# KiCad board main_pcb_hw5.kicad_pcb
title: OSCR HW5; date: 2022-06-19; rev: 5
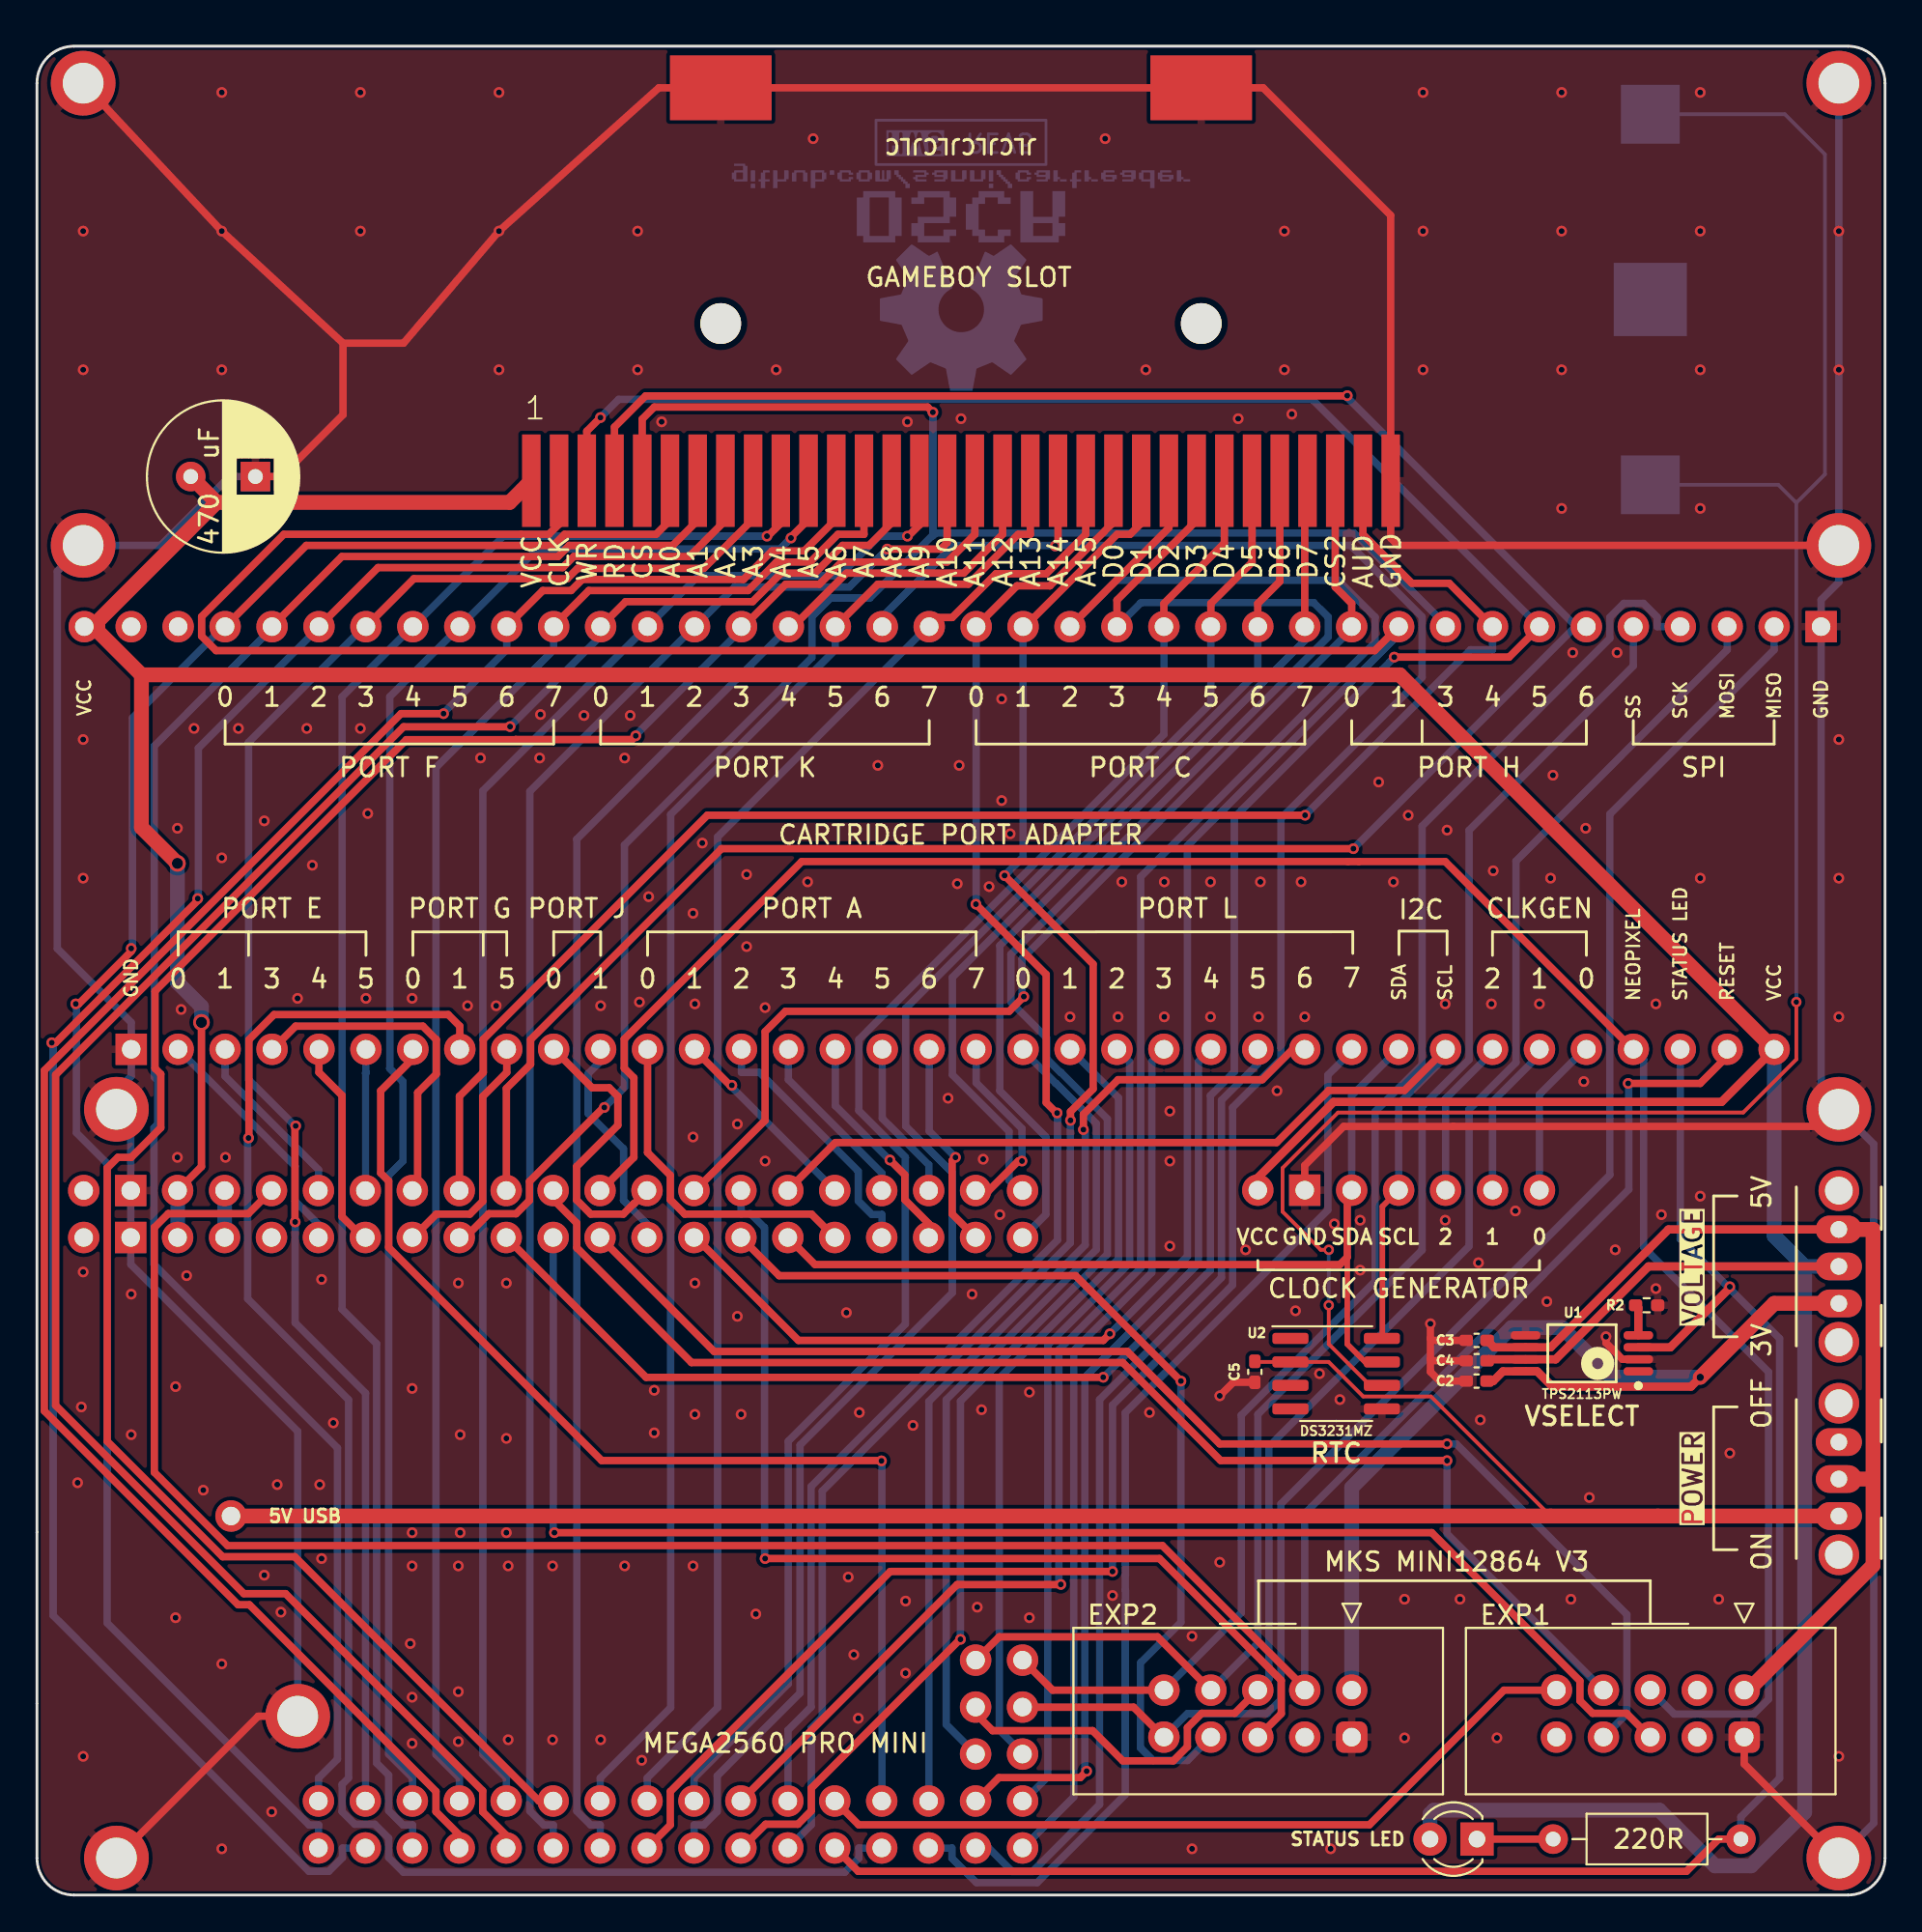
[diagram p0: board, top side]
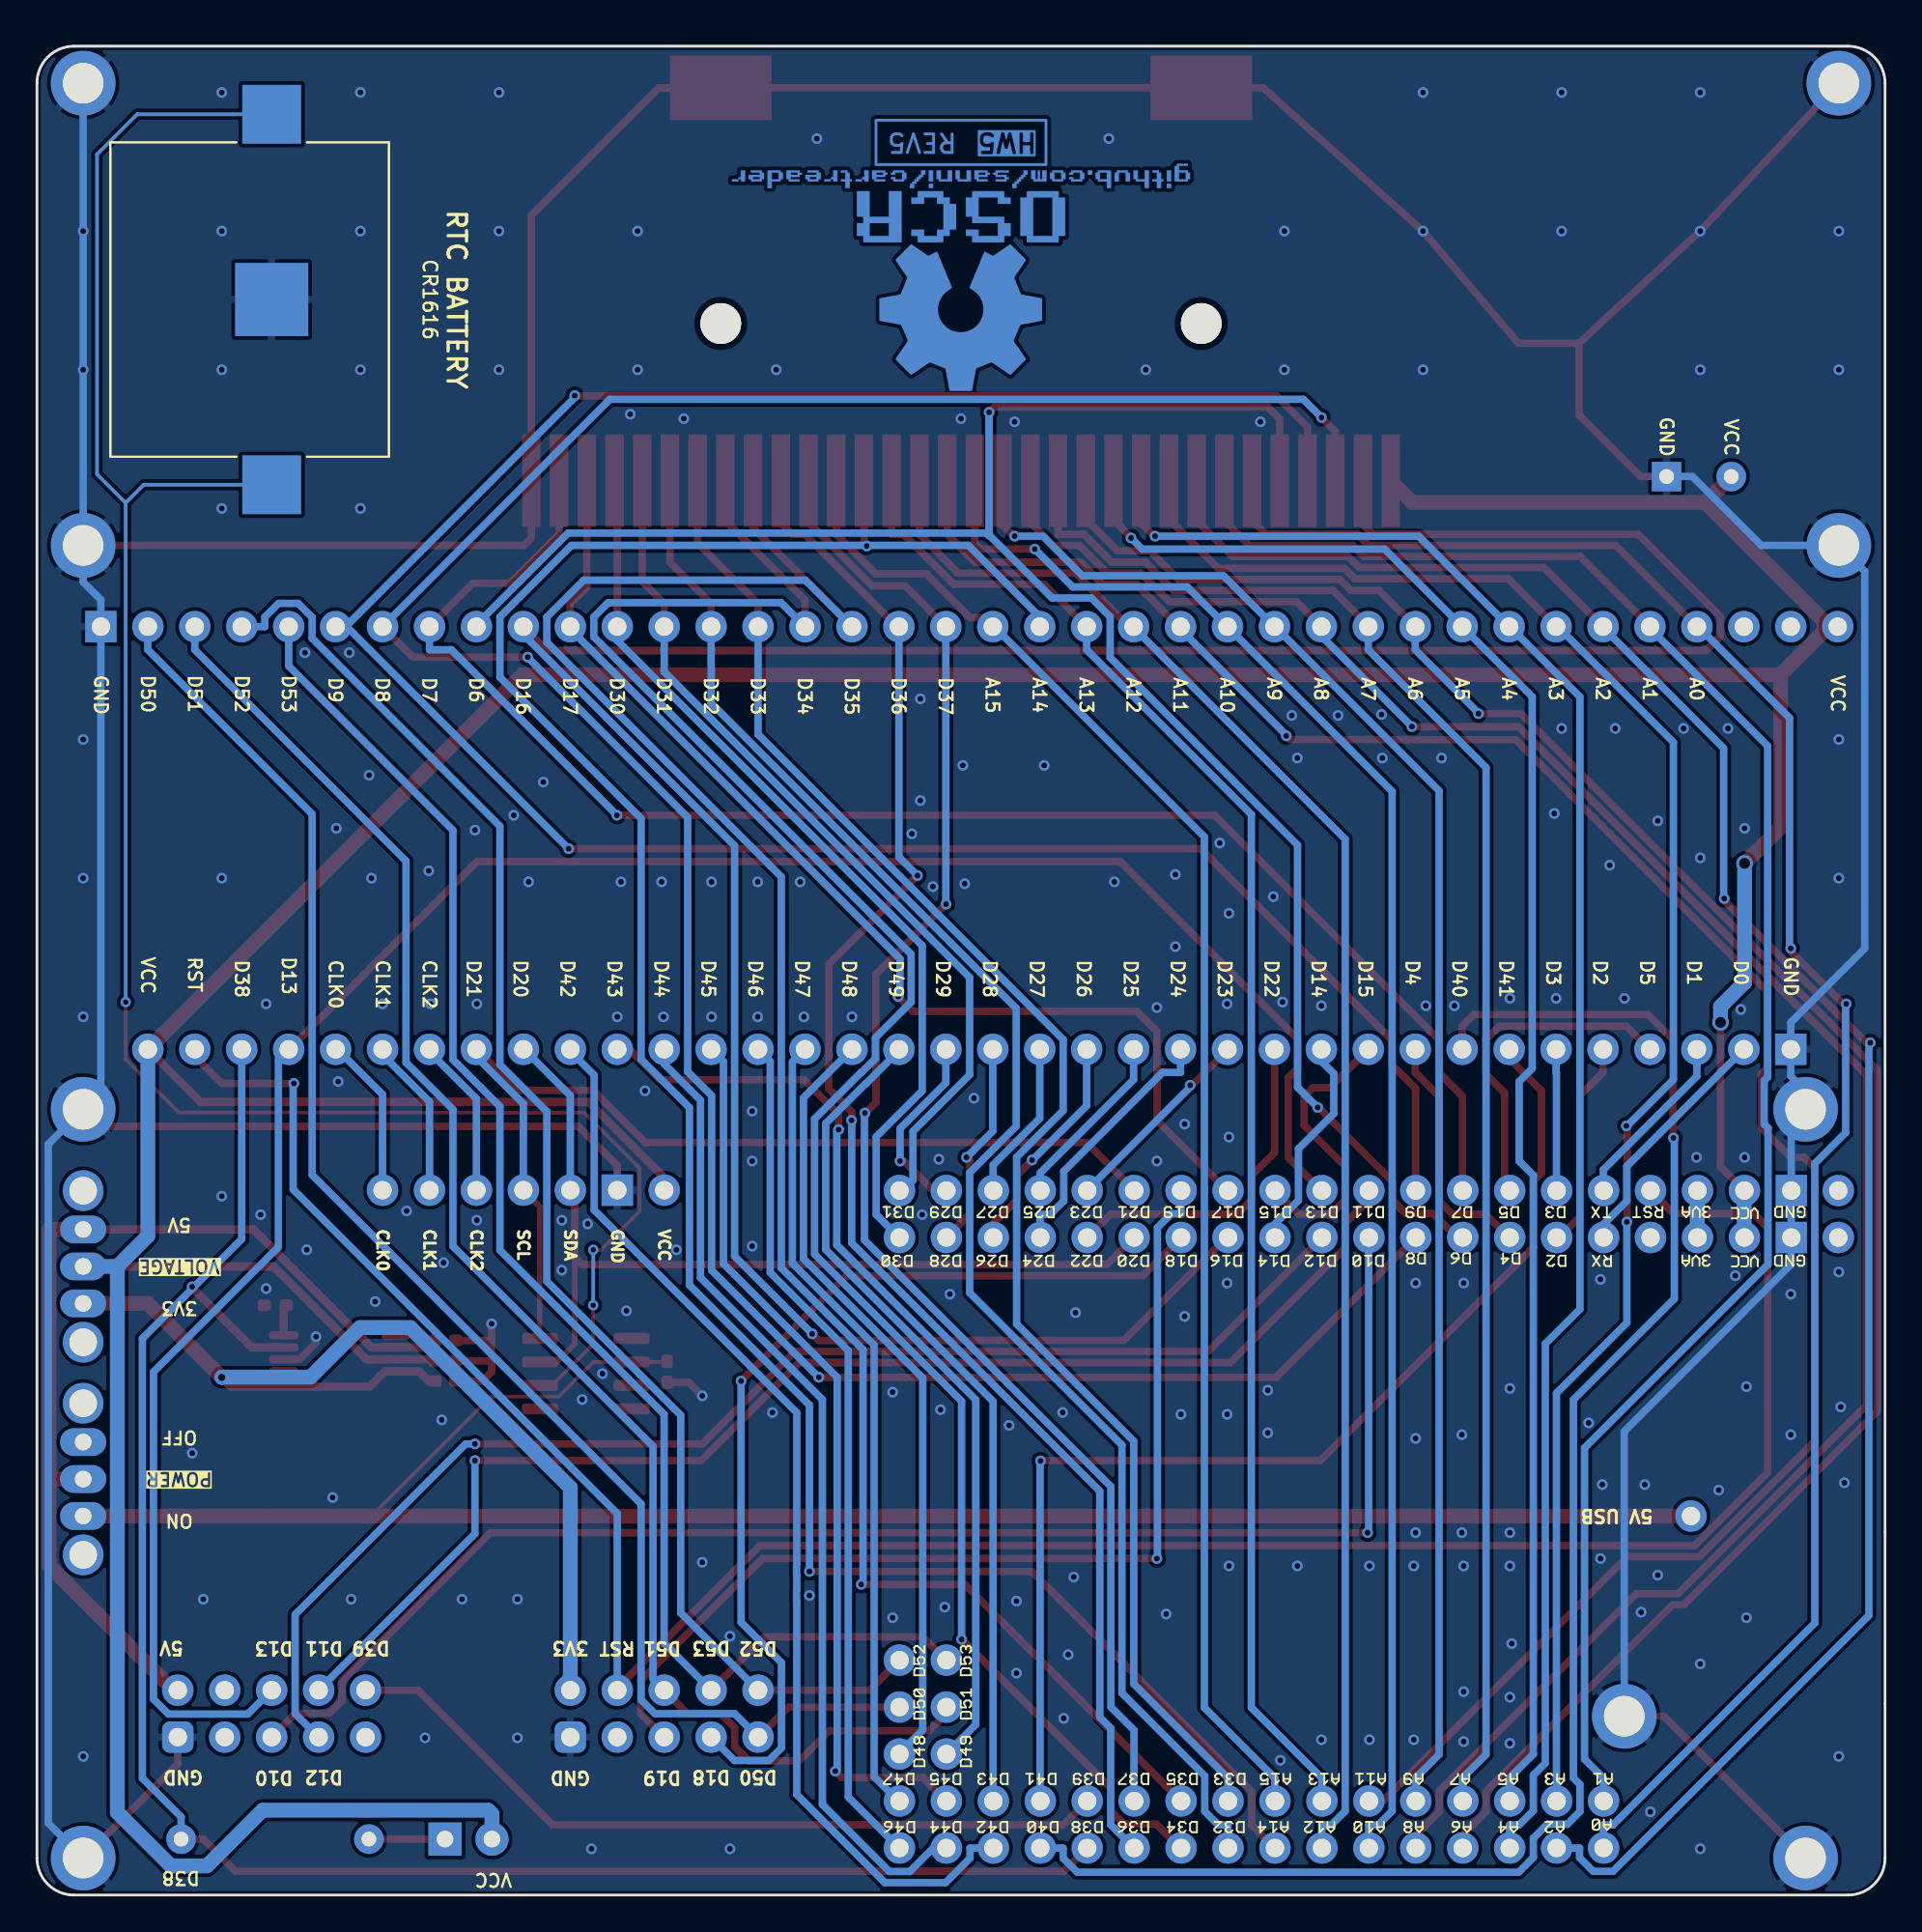
[diagram p1: board, bottom side, seen from below]

Outline 100 x 100 mm; copper layers: Top, Bottom. Coordinates in mm from the lower left corner of the outline.
Outline path: 0,98 arc(0.59,99.41) 2,100 98,100 arc(99.41,99.41) 100,98 100,2 arc(99.41,0.59) 98,0 2,0 arc(0.59,0.59) 0,2 0,98
Stack: Top 0.035mm / dielectric 1.51mm FR4 er 4.5 / Bottom 0.035mm

## Placement (name value [footprint] x y rotation side)
BT1  -  [CR1616]  87.3 86.3 90 bottom
C1  470u  [CP_Radial_D8.0mm_P3.50mm]  8.32 76.72 0 top
C2  0.1u  [C_0402_1005Metric_Pad0.74x0.62mm_HandSolder]  77.9 27.8 0 top
C3  0.1u  [C_0402_1005Metric_Pad0.74x0.62mm_HandSolder]  77.9 30 180 top
C4  10u  [C_0402_1005Metric_Pad0.74x0.62mm_HandSolder]  77.9 28.9 180 top
C5  0.1u  [C_0402_1005Metric_Pad0.74x0.62mm_HandSolder]  65.9 28.3 270 top
D1  LED  [LED_D3.0mm]  77.92 3.03 180 top
G***  LOGO  [Logo]  50 87.5 0 bottom
J1  MEGA BOTTOM  [MEGA2560_PRO_MINI]  27.93 36.96 0 top
J3  CART SLOT TOP ROW  [Cartridge_Port_Adapter-Back]  2.56 68.61 90 top
J4  CART SLOT FRONT ROW  [Cartridge_Port_Adapter-Front]  5.1 45.75 90 top
J6  5V USB  [PinHeader_1x01_P2.54mm_Vertical]  10.5 20.5 0 top
J7  Conn_01x07  [Clock_Generator_Header]  66.06 38.12 90 top
J8  EXP2  [LCD_Header]  71.14 11.08 270 top
J9  EXP1  [LCD_Header]  92.38 11.08 270 top
J10  GBA_Slot  [GBA-SLOT-B]  50 81.5 90 top
M2_1  Screw_Terminal_01x01  [MountingHole_2.2mm_M2_ISO7380_Pad]  2.5 98 0 top
M2_2  Screw_Terminal_01x01  [MountingHole_2.2mm_M2_ISO7380_Pad]  97.5 98 0 top
M2_3  Screw_Terminal_01x01  [MountingHole_2.2mm_M2_ISO7380_Pad]  97.5 73 0 top
M2_4  Screw_Terminal_01x01  [MountingHole_2.2mm_M2_ISO7380_Pad]  97.5 42.5 0 top
M2_5  Screw_Terminal_01x01  [MountingHole_2.2mm_M2_ISO7380_Pad]  97.5 2 0 top
M2_6  Screw_Terminal_01x01  [MountingHole_2.2mm_M2_ISO7380_Pad]  4.3 2 0 top
M2_7  Screw_Terminal_01x01  [MountingHole_2.2mm_M2_ISO7380_Pad]  14.11 9.67 0 top
M2_8  Screw_Terminal_01x01  [MountingHole_2.2mm_M2_ISO7380_Pad]  2.5 73 0 top
M2_9  Screw_Terminal_01x01  [MountingHole_2.2mm_M2_ISO7380_Pad]  4.3 42.5 0 top
R1  220R  [R_Axial_DIN0207_L6.3mm_D2.5mm_P10.16mm_Horizontal]  82.04 3.03 0 top
R2  560R  [R_0402_1005Metric_Pad0.72x0.64mm_HandSolder]  87.1 31.9 180 top
SW1  VOLTAGE  [Power_Switch]  97.5 32 90 top
SW2  POWER  [Power_Switch]  97.5 20.5 90 top
U1  TPS2113PW  [Texas_Instruments-TPS2113PW-Level_A]  83.6 29.3 180 top
U2  DS3231MZ  [SOIC-8_3.9x4.9mm_P1.27mm]  70.3 28.2 0 top

## Library data of the parts
BT1 = -: Description: Single-cell battery
C1 = -: Description: Polarized capacitor
C2 C3 = -: Description: Unpolarized capacitor; JLCPCB: C307331
C4 = -: Description: Unpolarized capacitor; JLCPCB: C15525
C5 = -: Description: Unpolarized capacitor, small symbol; JLCPCB: C307331
D1 = -: Description: Light emitting diode
J3 = -: Description: Generic connector, single row, 01x38, script generated (kicad-library-utils/schlib/autogen/connector/)
J4 = -: Description: Generic connector, single row, 01x36, script generated (kicad-library-utils/schlib/autogen/connector/)
J6 = -: Description: Generic connector, single row, 01x01, script generated (kicad-library-utils/schlib/autogen/connector/)
J7 = -: Description: Generic connector, single row, 01x07, script generated (kicad-library-utils/schlib/autogen/connector/)
J8 J9 = -: Description: Generic connector, double row, 02x05, odd/even pin numbering scheme (row 1 odd numbers, row 2 even numbers), script generated (kicad-library-utils/schlib/autogen/connector/)
M2_1-M2_9 = -: Description: Generic screw terminal, single row, 01x01, script generated (kicad-library-utils/schlib/autogen/connector/)
R1 = -: Description: Resistor, small symbol
R2 = -: Description: Resistor; JLCPCB: C137858
SW1 SW2 = -: Description: Switch, single pole double throw
U1 = -: Code  JEDEC: MO-153; Datasheet Version: SLVS446; IN1 IN2 Input VoltageMaxV: 5.5; IN1 IN2 Input VoltageMinV: 2.8; IN1 Output CurrentMaxA: 1.25; IN1 rDSonTypmOhm: 84; IN2 Output CurrentMaxA: 1.25; IN2 rDSonTypOhms: 0.084; Mounting Technology: Surface Mount; Number of Inputs: 2; Package Description: 8-Pin Plastic Thin Small Outline Package 3 x 4.4 mm Body ,0.65 mm Pitch; Package Version: revG, Feb-2011; Sub Family: Power Multiplexer (MUX); category: IC; ciiva ids: 1435368; imported: yes; library id: 8d418d7fa91867a0; manufacturer: Texas Instruments; package: PW0008A; release date: 1464590589; rohs: Yes; vault revision: 9D6D1550-8F4D-4794-945B-26B7B47CC6E6
U2 = -: Description: ±5ppm, I2C Real-Time Clock SOIC-8

## Footprints (pads in the part's own frame, mm; a bottom-side part is the same pattern mirrored in y, then rotated)
C_0402_1005Metric_Pad0.74x0.62mm_HandSolder
  rrect 0.735x0.62 smd: 1(-0.568,0) 2(0.568,0)
Cartridge_Port_Adapter-Back
  round 1.7 hole 1: 1(0,0)
  oval 1.7x1.7 hole 1: 2(0,-2.54) 3(0,-5.08) 4(0,-7.62) 5(0,-10.16) 6(0,-12.7) 7(0,-15.24) 8(0,-17.78) 9(0,-20.32) 10(0,-22.86) 11(0,-25.4) 12(0,-27.94) 13(0,-30.48) 14(0,-33.02) 15(0,-35.56) 16(0,-38.1) 17(0,-40.64) 18(0,-43.18) 19(0,-45.72) 20(0,-48.26) 21(0,-50.8) 22(0,-53.34) 23(0,-55.88) 24(0,-58.42) 25(0,-60.96) 26(0,-63.5) 27(0,-66.04) 28(0,-68.58) 29(0,-71.12) 30(0,-73.66) 31(0,-76.2) 32(0,-78.74) 33(0,-81.28) 34(0,-83.82) 35(0,-86.36) 36(0,-88.9) 37(0,-91.44)
  rect 1.7x1.7 hole 1: 38(0,-93.98)
Cartridge_Port_Adapter-Front
  rect 1.7x1.7 hole 1: 1(0,0)
  oval 1.7x1.7 hole 1: 2(0,-2.54) 3(0,-5.08) 4(0,-7.62) 5(0,-10.16) 6(0,-12.7) 7(0,-15.24) 8(0,-17.78) 9(0,-20.32) 10(0,-22.86) 11(0,-25.4) 12(0,-27.94) 13(0,-30.48) 14(0,-33.02) 15(0,-35.56) 16(0,-38.1) 17(0,-40.64) 18(0,-43.18) 19(0,-45.72) 20(0,-48.26) 21(0,-50.8) 22(0,-53.34) 23(0,-55.88) 24(0,-58.42) 25(0,-60.96) 26(0,-63.5) 27(0,-66.04) 28(0,-68.58) 29(0,-71.12) 30(0,-73.66) 31(0,-76.2) 32(0,-78.74) 33(0,-81.28) 34(0,-83.82) 35(0,-86.36) 36(0,-88.9)
Clock_Generator_Header
  round 1.7 hole 1: 1(0,0)
  rect 1.7x1.7 hole 1: 2(0,-2.54)
  oval 1.7x1.7 hole 1: 3(0,-5.08) 4(0,-7.62) 5(0,-10.16) 6(0,-12.7) 7(0,-15.24)
CP_Radial_D8.0mm_P3.50mm
  round 1.6 hole 0.8: 1(0,0)
  rect 1.6x1.6 hole 0.8: 2(3.5,0)
CR1616
  rect 3.18x3.18 smd: 1(-10.02,0) 1(10.02,0)
  rect 3.96x3.96 smd: 2(0,0)
GBA-SLOT-B
  round 2.2 hole 2.2 unplated: (3.5,13) (3.5,-13)
  rect 5x1 smd: 1(-5,23.25) 2(-5,21.75) 3(-5,20.25) 4(-5,18.75) 5(-5,17.25) 6(-5,15.75) 7(-5,14.25) 8(-5,12.75) 9(-5,11.25) 10(-5,9.75) 11(-5,8.25) 12(-5,6.75) 13(-5,5.25) 14(-5,3.75) 15(-5,2.25) 16(-5,0.75) 17(-5,-0.75) 18(-5,-2.25) 19(-5,-3.75) 20(-5,-5.25) 21(-5,-6.75) 22(-5,-8.25) 23(-5,-9.75) 24(-5,-11.25) 25(-5,-12.75) 26(-5,-14.25) 27(-5,-15.75) 28(-5,-17.25) 29(-5,-18.75) 30(-5,-20.25) 31(-5,-21.75) 32(-5,-23.25)
  rect 3.5x5.5 smd: 33(16.25,13) 34(16.25,-13)
LCD_Header
  round 1.7 hole 1: 1(0,0) 3(0,-2.54) 4(2.54,-2.54) 5(0,-5.08) 6(2.54,-5.08) 7(0,-7.62) 8(2.54,-7.62) 9(0,-10.16) 10(2.54,-10.16)
  rrect 1.7x1.7 hole 1: 2(2.54,0)
LED_D3.0mm
  rect 1.8x1.8 hole 0.9: 1(0,0)
  round 1.8 hole 0.9: 2(2.54,0)
MEGA2560_PRO_MINI
  round 1.7 hole 1: 1(25.4,-1.395) 43(25.4,-34.415) 75(22.86,-29.335)
  oval 1.7x1.7 hole 1: 2(25.4,1.145) 3(22.86,-1.395) 4(22.86,1.145) 5(20.32,-1.395) 6(20.32,1.145) 7(17.78,-1.395) 8(17.78,1.145) 9(15.24,-1.395) 10(15.24,1.145) 11(12.7,-1.395) 12(12.7,1.145) 13(10.16,-1.395) 14(10.16,1.145) 15(7.62,-1.395) 16(7.62,1.145) 17(5.08,-1.395) 18(5.08,1.145) 19(2.54,-1.395) 20(2.54,1.145) 21(0,-1.395) 22(0,1.145) 23(-2.54,-1.395) 24(-2.54,1.145) 25(-5.08,-1.395) 26(-5.08,1.145) 27(-7.62,-1.395) 28(-7.62,1.145) 29(-10.16,-1.395) 30(-10.16,1.145) 31(-12.7,-1.395) 32(-12.7,1.145) 33(-15.24,-1.395) 34(-15.24,1.145) 35(-17.78,-1.395) 36(-17.78,1.145) 37(-20.32,-1.395) 38(-20.32,1.145) 41(-25.4,-1.395) 42(-25.4,1.145) 44(25.4,-31.875) 45(22.86,-34.415) 46(22.86,-31.875) 47(20.32,-34.415) 48(20.32,-31.875) 49(17.78,-34.415) 50(17.78,-31.875) 51(15.24,-34.415) 52(15.24,-31.875) 53(12.7,-34.415) 54(12.7,-31.875) 55(10.16,-34.415) 56(10.16,-31.875) 57(7.62,-34.415) 58(7.62,-31.875) 59(5.08,-34.415) 60(5.08,-31.875) 61(2.54,-34.415) 62(2.54,-31.875) 63(0,-34.415) 64(0,-31.875) 65(-2.54,-34.415) 66(-2.54,-31.875) 67(-5.08,-34.415) 68(-5.08,-31.875) 69(-7.62,-34.415) 70(-7.62,-31.875) 71(-10.16,-34.415) 72(-10.16,-31.875) 73(-12.7,-34.415) 74(-12.7,-31.875) 76(25.4,-29.335) 77(22.86,-26.795) 78(25.4,-26.795) 79(22.86,-24.255) 80(25.4,-24.255)
  rect 1.7x1.7 hole 1: 39(-22.86,-1.395) 40(-22.86,1.145)
MountingHole_2.2mm_M2_ISO7380_Pad
  round 3.5 hole 2.2: 1(0,0)
PinHeader_1x01_P2.54mm_Vertical
  round 1.7 hole 1: 1(0,0)
Power_Switch
  round 2.2 hole 1.5: (-2.1,0) (6.1,0)
  oval 1.5x2.5 hole 0.9: 1(0,0) 2(2,0) 3(4,0)
R_0402_1005Metric_Pad0.72x0.64mm_HandSolder
  rrect 0.715x0.64 smd: 1(-0.598,0) 2(0.598,0)
R_Axial_DIN0207_L6.3mm_D2.5mm_P10.16mm_Horizontal
  round 1.6 hole 0.8: 1(0,0)
  oval 1.6x1.6 hole 0.8: 2(10.16,0)
SOIC-8_3.9x4.9mm_P1.27mm
  rrect 1.95x0.6 smd: 1(-2.475,1.905) 2(-2.475,0.635) 3(-2.475,-0.635) 4(-2.475,-1.905) 5(2.475,-1.905) 6(2.475,-0.635) 7(2.475,0.635) 8(2.475,1.905)
Texas_Instruments-TPS2113PW-Level_A
  rrect 1.6x0.45 smd: 1(-3.05,0.975) 2(-3.05,0.325) 3(-3.05,-0.325) 4(-3.05,-0.975) 5(3.05,-0.975) 6(3.05,-0.325) 7(3.05,0.325) 8(3.05,0.975)
